# KiCad board LV_PCB.kicad_pcb
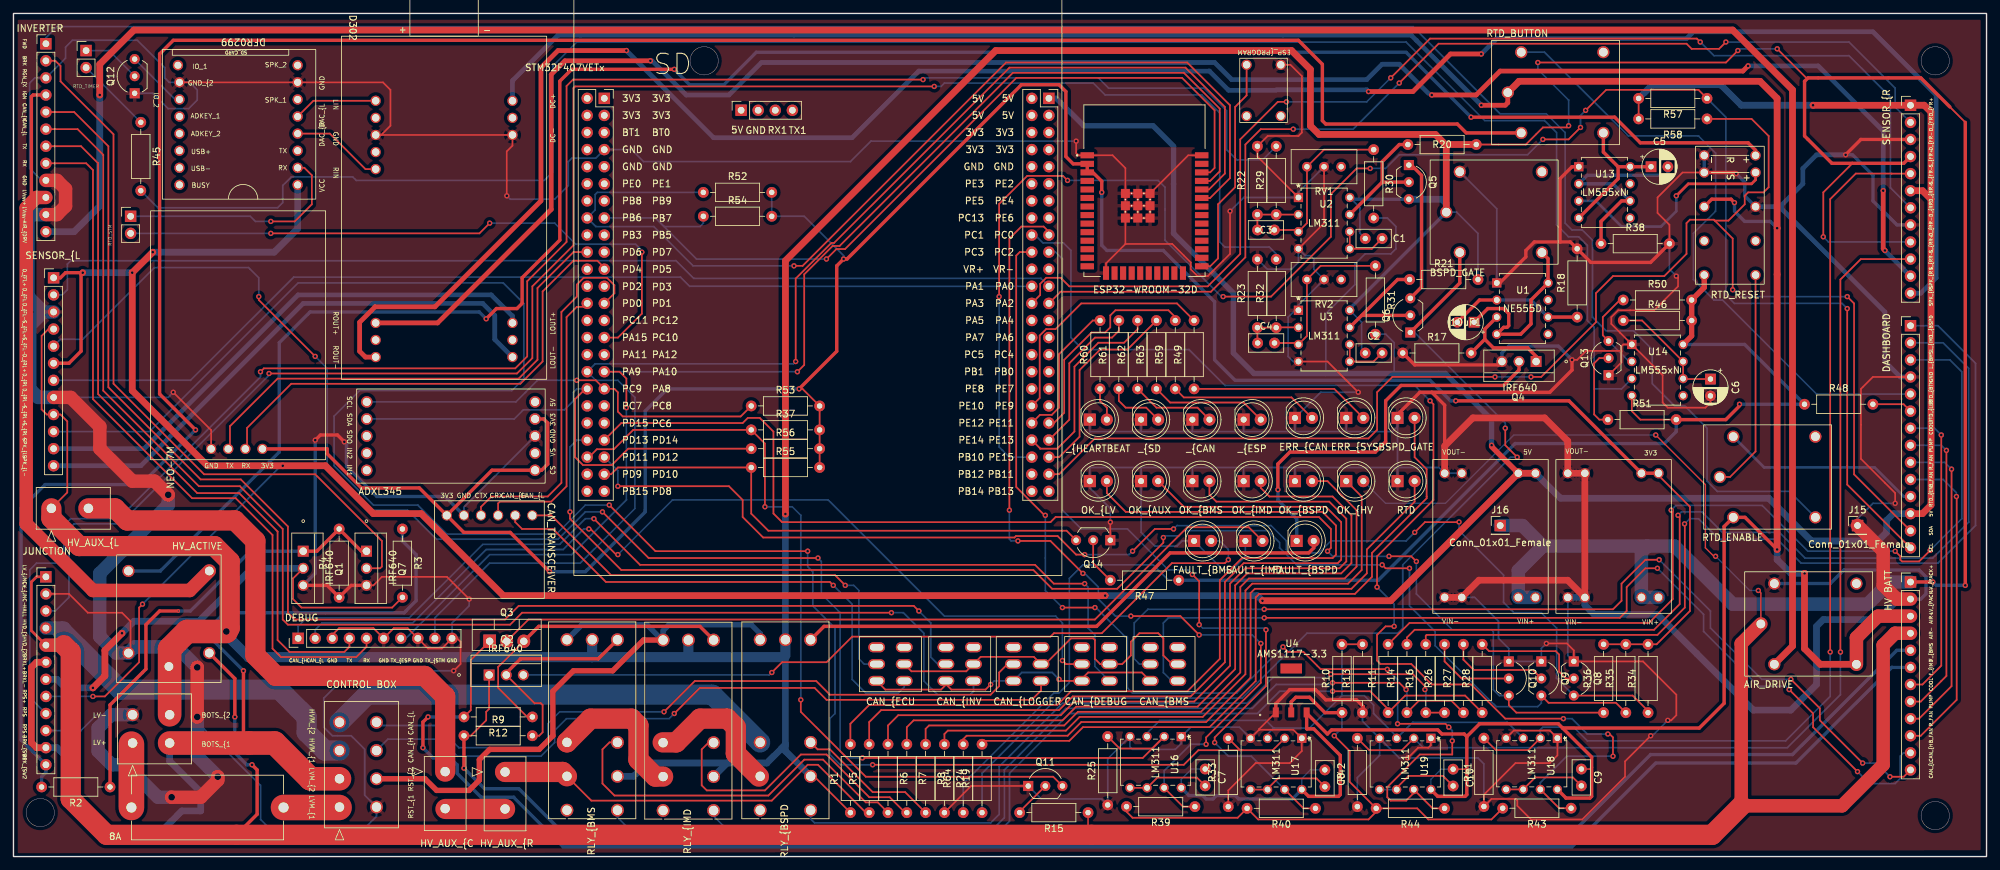
[diagram p0: board, top side]
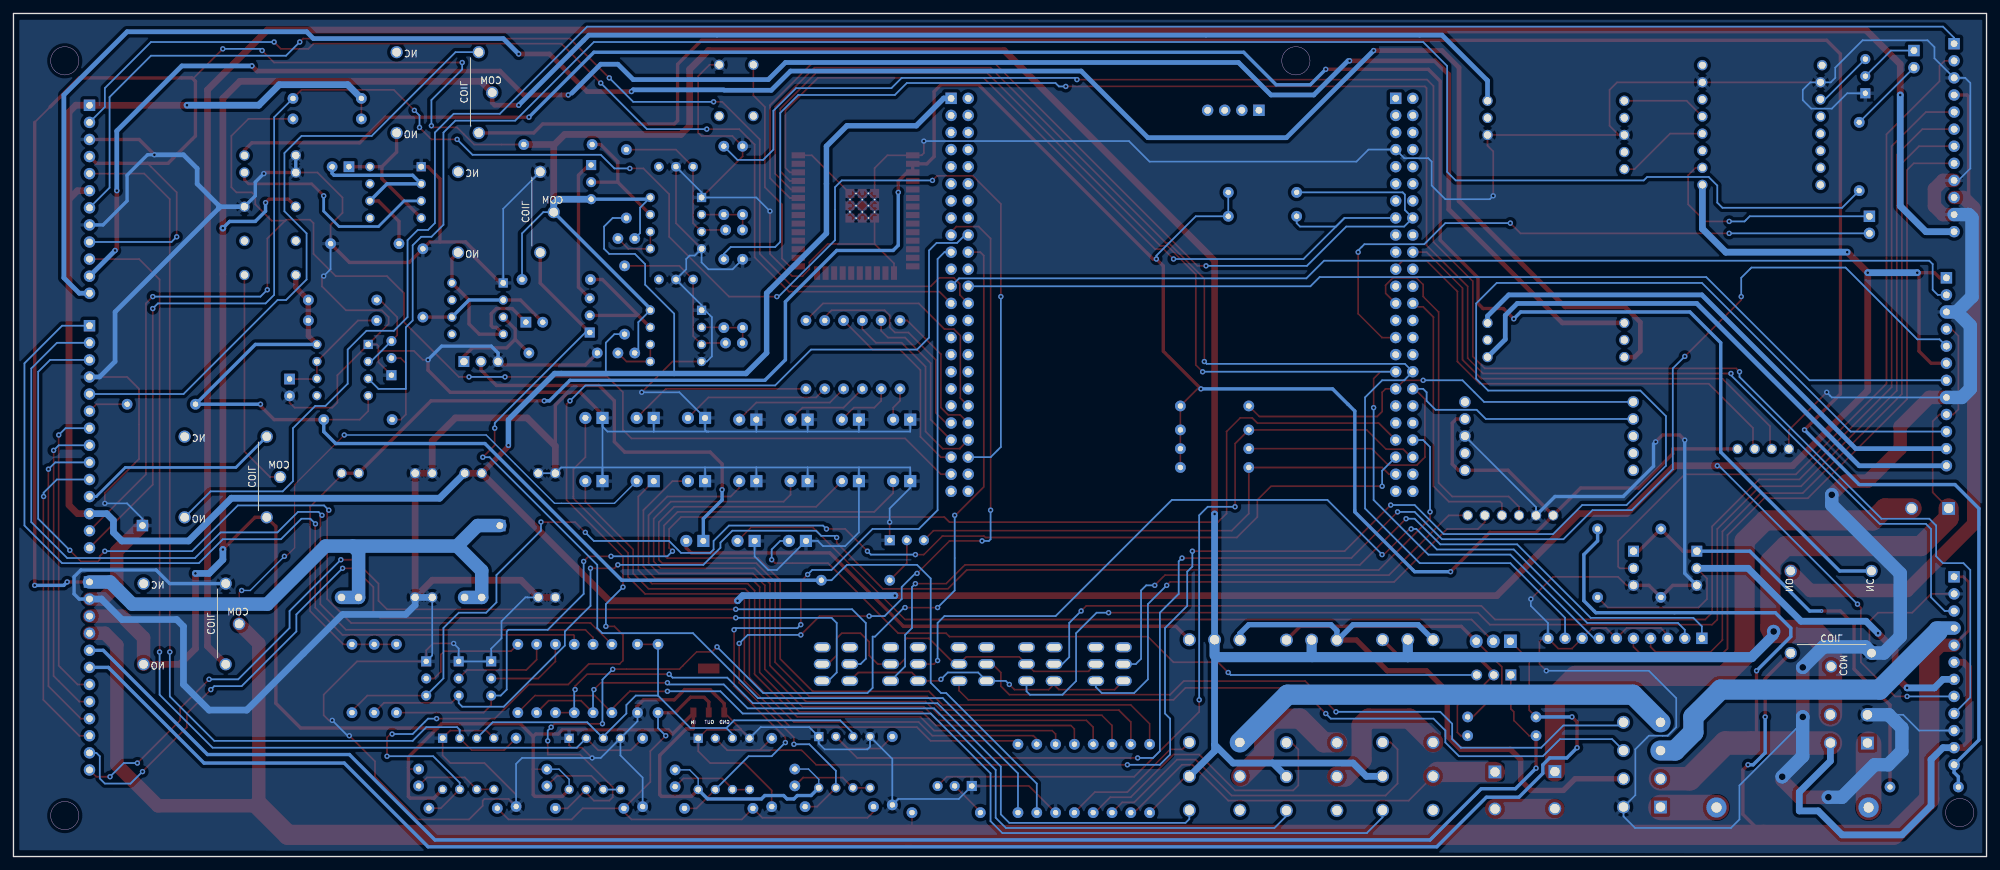
[diagram p1: board, bottom side, seen from below]

Outline 293.1 x 125.33 mm; copper layers: Top, Bottom. Coordinates in mm from the lower left corner of the outline.
Outline path: rectangle 0,125.33 293.1,0 ; circle c3.98,6.53 r2.1 ; circle c102.6,118.29 r2.1 ; circle c285.48,118.29 r2.1 ; circle c285.48,6.09 r2.1

## Placement (name value [footprint] x y rotation side)
10uF1  10uF  [CP_Radial_D5.0mm_P2.50mm]  216.98 79.43 180 top
C1  1nF  [C_Disc_D5.0mm_W2.5mm_P2.50mm]  200.81 91.88 0 top
C2  1nF  [C_Disc_D5.0mm_W2.5mm_P2.50mm]  200.81 74.86 0 top
C3  1nF  [C_Disc_D5.0mm_W2.5mm_P2.50mm]  184.81 93.15 0 top
C4  1nF  [C_Disc_D5.0mm_W2.5mm_P2.50mm]  184.83 76.34 0 top
C5  100uF  [CP_Radial_D5.0mm_P2.50mm]  243.26 102.54 0 top
C6  100uF  [CP_Radial_D5.0mm_P2.50mm]  252.09 70.98 270 top
C7  100nF  [C_Disc_D5.0mm_W2.5mm_P2.50mm]  177.03 13.01 270 top
C8  100nF  [C_Disc_D5.0mm_W2.5mm_P2.50mm]  194.81 12.88 270 top
C9  100nF  [C_Disc_D5.0mm_W2.5mm_P2.50mm]  232.91 13.01 270 top
C10  100nF  [C_Disc_D5.0mm_W2.5mm_P2.50mm]  213.86 12.99 270 top
D1  OK_{LV  [LED_D5.0mm]  159.89 55.81 0 top
D2  FAULT_{BMS  [LED_D5.0mm]  175.38 46.92 0 top
D3  OK_{AUX  [LED_D5.0mm]  167.51 55.81 0 top
D4  OK_{BMS  [LED_D5.0mm]  175.12 55.81 0 top
D5  FAULT_{IMD  [LED_D5.0mm]  183 46.92 0 top
D6  OK_{IMD  [LED_D5.0mm]  182.75 55.81 0 top
D7  FAULT_{BSPD  [LED_D5.0mm]  190.62 46.92 0 top
D8  OK_{BSPD  [LED_D5.0mm]  190.37 55.81 0 top
D9  BSPD_GATE  [LED_D5.0mm]  205.6 65.2 0 top
D10  OK_{HV  [LED_D5.0mm]  197.99 55.81 0 top
D11  ERR_{SYS  [LED_D5.0mm]  197.99 65.2 0 top
D12  ERR_{CAN  [LED_D5.0mm]  190.37 65.2 0 top
D13  _{HEARTBEAT  [LED_D5.0mm]  159.89 64.95 0 top
D14  _{SD  [LED_D5.0mm]  167.51 64.95 0 top
D15  _{CAN  [LED_D5.0mm]  175.12 64.95 0 top
D16  _{ESP  [LED_D5.0mm]  182.75 64.95 0 top
D17  RTD  [LED_D5.0mm]  205.61 55.81 0 top
F1  8A  [Fuseholder_Cylinder-5x20mm_Stelvio-Kontek_PTF78_Horizontal_Open]  40.12 7.29 180 top
J1  5267-12AX  [PinHeader_1x12_P2.54mm_Vertical]  4.82 120.83 0 top
J2  5267-12AX  [PinHeader_1x12_P2.54mm_Vertical]  281.81 40.82 0 top
J3  5267-08AX  [5566-08]  48.43 7.36 90 top
J4  5267-12AX  [PinHeader_1x12_P2.54mm_Vertical]  4.82 41.58 0 top
J5  Conn_01x14_Female  [PinHeader_1x14_P2.54mm_Vertical]  281.81 78.91 0 top
J6  Conn_01x04_Female  [5566-04]  17.7 16.88 90 top
J7  5267-10AX  [PinHeader_1x10_P2.54mm_Vertical]  42.29 32.44 90 top
J8  Conn_01x02_Female  [5566-02A]  64.13 12.63 0 top
J9  Conn_01x02_Female  [PinHeader_1x02_P2.54mm_Vertical]  10.79 119.81 0 top
J10  5267-12AX  [PinHeader_1x12_P2.54mm_Vertical]  281.81 111.68 0 top
J11  Conn_01x02_Female  [5566-02A]  73.03 12.57 0 top
J12  5267-12AX  [PinHeader_1x12_P2.54mm_Vertical]  5.96 86.03 0 top
J13  Conn_01x02_Female  [5566-02A]  5.63 51.76 90 top
J14  Conn_01x02_Female  [PinHeader_1x02_P2.54mm_Vertical]  17.4 95.18 0 top
J15  Conn_01x01_Female  [PinHeader_1x01_P2.54mm_Vertical]  273.94 49.2 0 top
J16  Conn_01x01_Female  [PinHeader_1x01_P2.54mm_Vertical]  220.86 49.2 0 top
K1  HR702NH-DC12V  [HR702]  209.92 87.52 0 top
K2  HR702NH-DC12V  [HR702]  31.36 25.33 90 top
K3  HR702NH-DC12V  [HR702]  256.65 26.3 0 top
K4  HR702NH-DC12V  [HR702]  250.55 48.15 0 top
K5  HR702NH-DC12V  [HR702]  219.05 105.3 0 top
K6  HR90L2_12V  [HR90L2]  249.88 105.59 270 top
Q1  IRF640  [IRF640NPBF]  43.05 45.39 270 top
Q2  IRF640  [IRF640NPBF]  70.66 26.99 0 top
Q3  IRF9540N  [TO-220-3_Vertical]  70.73 32 0 top
Q4  IRF640  [IRF640NPBF]  226.19 73.59 180 top
Q5  2N3904  [TO-92_Inline_Wide]  207.29 102.8 270 top
Q6  2N3904  [TO-92_Inline_Wide]  207.5 77.91 90 top
Q7  IRF640  [IRF640NPBF]  52.44 45.39 270 top
Q8  2N3904  [TO-92_Inline_Wide]  231.79 29.01 270 top
Q9  2N3904  [TO-92_Inline_Wide]  226.96 29.01 270 top
Q10  2N3904  [TO-92_Inline_Wide]  222.14 29.01 270 top
Q11  2N3904  [TO-92_Inline_Wide]  150.74 10.49 0 top
Q12  2N3904  [TO-92_Inline_Wide]  18.01 113.47 90 top
Q13  2N3904  [TO-92_Inline_Wide]  236.95 71.56 90 top
Q14  2N3904  [TO-92_Inline_Wide]  162.93 47.02 180 top
R1  5k  [R_Axial_DIN0207_L6.3mm_D2.5mm_P10.16mm_Horizontal]  124.33 6.53 90 top
R2  100k  [R_Axial_DIN0207_L6.3mm_D2.5mm_P10.16mm_Horizontal]  14.34 10.34 180 top
R3  100k  [R_Axial_DIN0207_L6.3mm_D2.5mm_P10.16mm_Horizontal]  57.78 48.7 270 top
R4  10k  [R_Axial_DIN0207_L6.3mm_D2.5mm_P10.16mm_Horizontal]  48.38 38.53 90 top
R5  5k  [R_Axial_DIN0207_L6.3mm_D2.5mm_P10.16mm_Horizontal]  127.12 6.53 90 top
R6  5k  [R_Axial_DIN0207_L6.3mm_D2.5mm_P10.16mm_Horizontal]  129.91 16.69 270 top
R7  5k  [R_Axial_DIN0207_L6.3mm_D2.5mm_P10.16mm_Horizontal]  132.71 16.69 270 top
R8  5k  [R_Axial_DIN0207_L6.3mm_D2.5mm_P10.16mm_Horizontal]  135.5 16.69 270 top
R9  240K  [R_Axial_DIN0207_L6.3mm_D2.5mm_P10.16mm_Horizontal]  66.92 17.96 0 top
R10  220  [R_Axial_DIN0207_L6.3mm_D2.5mm_P10.16mm_Horizontal]  197.35 21.39 90 top
R11  1k  [R_Axial_DIN0207_L6.3mm_D2.5mm_P10.16mm_Horizontal]  204.21 21.39 90 top
R12  10k  [R_Axial_DIN0207_L6.3mm_D2.5mm_P10.16mm_Horizontal]  77.08 20.75 180 top
R13  120  [R_Axial_DIN0207_L6.3mm_D2.5mm_P10.16mm_Horizontal]  200.4 21.39 90 top
R14  1k  [R_Axial_DIN0207_L6.3mm_D2.5mm_P10.16mm_Horizontal]  207 21.39 90 top
R15  10k  [R_Axial_DIN0207_L6.3mm_D2.5mm_P10.16mm_Horizontal]  159.63 6.53 180 top
R16  1k  [R_Axial_DIN0207_L6.3mm_D2.5mm_P10.16mm_Horizontal]  209.8 21.39 90 top
R17  200k  [R_Axial_DIN0207_L6.3mm_D2.5mm_P10.16mm_Horizontal]  206.38 74.86 0 top
R18  51k  [R_Axial_DIN0207_L6.3mm_D2.5mm_P10.16mm_Horizontal]  232.29 80.19 90 top
R19  1k  [R_Axial_DIN0207_L6.3mm_D2.5mm_P10.16mm_Horizontal]  143.88 6.53 90 top
R20  220  [R_Axial_DIN0207_L6.3mm_D2.5mm_P10.16mm_Horizontal]  217.3 105.84 180 top
R21  220  [R_Axial_DIN0207_L6.3mm_D2.5mm_P10.16mm_Horizontal]  207.39 85.78 0 top
R22  4M  [R_Axial_DIN0207_L6.3mm_D2.5mm_P10.16mm_Horizontal]  184.79 95.43 90 top
R23  4M  [R_Axial_DIN0207_L6.3mm_D2.5mm_P10.16mm_Horizontal]  184.79 78.63 90 top
R24  5k  [R_Axial_DIN0207_L6.3mm_D2.5mm_P10.16mm_Horizontal]  138.3 16.69 270 top
R25  100  [R_Axial_DIN0207_L6.3mm_D2.5mm_P10.16mm_Horizontal]  162.55 7.67 90 top
R26  10k  [R_Axial_DIN0207_L6.3mm_D2.5mm_P10.16mm_Horizontal]  212.59 21.39 90 top
R27  10k  [R_Axial_DIN0207_L6.3mm_D2.5mm_P10.16mm_Horizontal]  215.38 21.39 90 top
R28  10k  [R_Axial_DIN0207_L6.3mm_D2.5mm_P10.16mm_Horizontal]  218.18 21.39 90 top
R29  10k  [R_Axial_DIN0207_L6.3mm_D2.5mm_P10.16mm_Horizontal]  187.58 95.43 90 top
R30  10k  [R_Axial_DIN0207_L6.3mm_D2.5mm_P10.16mm_Horizontal]  202.06 105.08 270 top
R31  10k  [R_Axial_DIN0207_L6.3mm_D2.5mm_P10.16mm_Horizontal]  202.31 87.81 270 top
R32  10k  [R_Axial_DIN0207_L6.3mm_D2.5mm_P10.16mm_Horizontal]  187.58 78.63 90 top
R33  100  [R_Axial_DIN0207_L6.3mm_D2.5mm_P10.16mm_Horizontal]  180.46 7.42 90 top
R34  1k  [R_Axial_DIN0207_L6.3mm_D2.5mm_P10.16mm_Horizontal]  242.82 21.39 90 top
R35  1k  [R_Axial_DIN0207_L6.3mm_D2.5mm_P10.16mm_Horizontal]  239.51 21.39 90 top
R36  1k  [R_Axial_DIN0207_L6.3mm_D2.5mm_P10.16mm_Horizontal]  236.21 21.39 90 top
R37  1k  [R_Axial_DIN0207_L6.3mm_D2.5mm_P10.16mm_Horizontal]  109.59 63.43 0 top
R38  10k  [R_Axial_DIN0207_L6.3mm_D2.5mm_P10.16mm_Horizontal]  235.83 91.11 0 top
R39  3.3k  [R_Axial_DIN0207_L6.3mm_D2.5mm_P10.16mm_Horizontal]  175.51 7.42 180 top
R40  3.3k  [R_Axial_DIN0207_L6.3mm_D2.5mm_P10.16mm_Horizontal]  193.41 7.17 180 top
R41  100  [R_Axial_DIN0207_L6.3mm_D2.5mm_P10.16mm_Horizontal]  218.43 7.44 90 top
R42  100  [R_Axial_DIN0207_L6.3mm_D2.5mm_P10.16mm_Horizontal]  199.64 7.42 90 top
R43  3.3k  [R_Axial_DIN0207_L6.3mm_D2.5mm_P10.16mm_Horizontal]  231.39 7.19 180 top
R44  3.3k  [R_Axial_DIN0207_L6.3mm_D2.5mm_P10.16mm_Horizontal]  212.59 7.17 180 top
R45  10k  [R_Axial_DIN0207_L6.3mm_D2.5mm_P10.16mm_Horizontal]  18.91 109.15 270 top
R46  3.3k  [R_Axial_DIN0207_L6.3mm_D2.5mm_P10.16mm_Horizontal]  239.13 79.68 0 top
R47  10k  [R_Axial_DIN0207_L6.3mm_D2.5mm_P10.16mm_Horizontal]  173.09 41.08 180 top
R48  1k  [R_Axial_DIN0207_L6.3mm_D2.5mm_P10.16mm_Horizontal]  266.06 67.24 0 top
R49  100  [R_Axial_DIN0207_L6.3mm_D2.5mm_P10.16mm_Horizontal]  175.38 69.52 90 top
R50  4.7k  [R_Axial_DIN0207_L6.3mm_D2.5mm_P10.16mm_Horizontal]  239.13 82.73 0 top
R51  10k  [R_Axial_DIN0207_L6.3mm_D2.5mm_P10.16mm_Horizontal]  236.85 64.95 0 top
R52  2.7k  [R_Axial_DIN0207_L6.3mm_D2.5mm_P10.16mm_Horizontal]  102.48 98.73 0 top
R53  2.7k  [R_Axial_DIN0207_L6.3mm_D2.5mm_P10.16mm_Horizontal]  109.59 66.98 0 top
R54  2.7k  [R_Axial_DIN0207_L6.3mm_D2.5mm_P10.16mm_Horizontal]  102.48 95.18 0 top
R55  1k  [R_Axial_DIN0207_L6.3mm_D2.5mm_P10.16mm_Horizontal]  109.59 57.84 0 top
R56  2.7k  [R_Axial_DIN0207_L6.3mm_D2.5mm_P10.16mm_Horizontal]  109.59 60.63 0 top
R57  2.7k  [R_Axial_DIN0207_L6.3mm_D2.5mm_P10.16mm_Horizontal]  251.58 112.7 180 top
R58  2.7k  [R_Axial_DIN0207_L6.3mm_D2.5mm_P10.16mm_Horizontal]  251.58 109.66 180 top
R59  100  [R_Axial_DIN0207_L6.3mm_D2.5mm_P10.16mm_Horizontal]  172.59 69.52 90 top
R60  100  [R_Axial_DIN0207_L6.3mm_D2.5mm_P10.16mm_Horizontal]  161.41 69.52 90 top
R61  100  [R_Axial_DIN0207_L6.3mm_D2.5mm_P10.16mm_Horizontal]  164.2 69.52 90 top
R62  100  [R_Axial_DIN0207_L6.3mm_D2.5mm_P10.16mm_Horizontal]  167 69.52 90 top
R63  100  [R_Axial_DIN0207_L6.3mm_D2.5mm_P10.16mm_Horizontal]  169.79 69.52 90 top
R64  10k  [R_Axial_DIN0207_L6.3mm_D2.5mm_P10.16mm_Horizontal]  141.09 6.53 90 top
RLY1  RLY_{BMS  [RT424F12]  89.72 32.23 270 top
RLY2  RLY_{IMD  [RT424F12]  104.01 32.19 270 top
RLY3  RLY_{BSPD  [RT424F12]  118.42 32.23 270 top
RV1  TUNE_{BRAKE  [Potentiometer_Bourns_3296W_Vertical]  192.14 102.54 180 top
RV2  TUNE_{HALL  [Potentiometer_Bourns_3296W_Vertical]  192.14 85.78 180 top
SW1  CAN_{DEBUG  [TOGGLE_SWITCH]  156.13 20.67 0 top
SW2  CAN_{ECU  [TOGGLE_SWITCH]  125.65 20.67 0 top
SW3  CAN_{BMS  [TOGGLE_SWITCH]  166.29 20.67 0 top
SW4  CAN_{INV  [TOGGLE_SWITCH]  135.94 20.67 0 top
SW5  CAN_{LOGGER  [TOGGLE_SWITCH]  145.97 20.67 0 top
SW8  ESP_{PROGRAM  [TACT_SWITCH]  189.23 122.2 180 top
U1  NE555D  [NE555P]  220.35 85.27 0 top
U2  LM311  [LM311P]  190.88 97.97 0 top
U3  LM311  [LM311P]  190.88 81.21 0 top
U4  AMS1117-3.3  [AMS1117-5.0]  189.81 24.69 0 top
U5  5V Converter  [DCDC_MODULE]  208.3 59.52 270 top
U6  3.3V Converter  [DCDC_MODULE]  226.59 59.52 270 top
U7  CAN_TRANSCEIVER  [CAN_TRANSIVER]  60.26 53.74 270 top
U8  D302  [SPK_D302]  48.73 121.95 270 top
U9  -  [ADXL345]  50.98 55.51 0 top
U10  NEO-7M  [GPSV3-NE0]  48.76 59 90 top
U11  ESP32-WROOM-32D  [MODULE_ESP32-WROOM-32D]  168.01 98.99 0 top
U12  -  [DFR0299]  44.98 121.9 180 top
U13  LM555xN  [NE555P]  232.53 102.54 0 top
U14  LM555xN  [NE555P]  240.4 76.13 0 top
U15  STM32F407VETx  [STM32F407_HOLDER]  118.25 54.29 0 top
U16  LM311  [LM311P]  173.47 17.83 270 top
U17  LM311  [LM311P]  191.38 17.58 270 top
U18  LM311  [LM311P]  229.35 17.6 270 top
U19  LM311  [LM311P]  210.56 17.58 270 top

## Library data of the parts
J3 = -: Field4: 39281083; Field5: *; Field6: Copyright 2021 Accelerated Designs. All rights reserved.; Field7: PTH_DRILL_SIZE:_1.4_MM,_TOL:_+0.05/-0.05; Field8: PTH_DRILL_SIZE:_1.4_MM,_TOL:_+0.05/-0.05; Field9: 39281083; Field10: *
J6 = -: Field4: 39290043; Field6: 39290043
J8 J11 = -: Field4: *; Field5: 39290023; Field6: Copyright 2021 Accelerated Designs. All rights reserved.; Field7: PTH_DRILL_SIZE:_1.4_MM,_TOL:_+0.05/-0.05; Field8: PTH_DRILL_SIZE:_1.4_MM,_TOL:_+0.05/-0.05; Field9: *; Field10: 39290023
J13 = -: Field4: 39290023; Field5: *; Field6: PTH_DRILL_SIZE:_1.4_MM,_TOL:_+0.05/-0.05; Field7: Copyright 2021 Accelerated Designs. All rights reserved.; Field8: PTH_DRILL_SIZE:_1.4_MM,_TOL:_+0.05/-0.05; Field9: *
RLY1-RLY3 U4 = -: Field4: *
U5 = -: Field4: VIN-; Field5: VIN+; Field6: VOUT-; Field7: VOUT+
U6 = -: Field4: VIN+; Field5: VIN-; Field6: VOUT+; Field7: VOUT-
U11 = -: MANUFACTURER: Espressif Systems; MAXIMUM_PACKAGE_HEIGHT: 3.2 mm; PARTREV: 1.9; STANDARD: Manufacturer Recommendations; Field8: ANTENNA
U12 = -: Description: DFRobot Accessories DFPlayer; Arrow Price/Stock: https://www.arrow.com/en/products/dfr0299/dfrobot?region=nac; Height: 1.7; Manufacturer_Name: DFRobot; Mouser Part Number: 426-DFR0299; Mouser Price/Stock: https://www.mouser.co.uk/ProductDetail/DFRobot/DFR0299?qs=Zcin8yvlhnPSNhqM2hweWw%3D%3D

## Footprints (pads in the part's own frame, mm; a bottom-side part is the same pattern mirrored in y, then rotated)
5566-02A
  rect 1.9x1.9 hole 1.4: 1(0,0)
  round 1.9 hole 1.4: 2(0,-5.5)
5566-04
  rect 1.9x1.9 hole 1.4: 1(0,0)
  round 1.9 hole 1.4: 2(4.2,0) 3(0,-5.5) 4(4.2,-5.5)
5566-08
  rect 1.9x1.9 hole 1.4: 1(0,0)
  round 1.9 hole 1.4: 2(4.2,0) 3(8.4,0) 4(12.6,0) 5(0,-5.5) 6(4.2,-5.5) 7(8.4,-5.5) 8(12.6,-5.5)
ADXL345
  round 1.7 hole 1.2: 1(26.5,9.54) 2(26.5,7) 6(26.5,4.46) 7(26.5,1.92) 8(1.5,1.92) 9(1.5,4.46) 12(1.5,7) 13(1.5,9.54) 14(1.5,12.08) 22(26.5,12.08)
AMS1117-5.0
  rect 0.889x1.473 smd: 1(-2.29,-3.264) 2(0,-3.264) 3(2.29,-3.264)
  rect 3.2x1.473 smd: 4(0,3.264)
C_Disc_D5.0mm_W2.5mm_P2.50mm
  round 1.6 hole 0.8: 1(0,0) 2(2.5,0)
CAN_TRANSIVER
  round 1.524 hole 1.2: 1(3.023,4.111) 2(3.023,6.651) 3(3.023,9.191) 4(3.023,11.731) 5(3.023,14.271) 6(3.023,16.811)
CP_Radial_D5.0mm_P2.50mm
  rect 1.6x1.6 hole 0.8: 1(0,0)
  round 1.6 hole 0.8: 2(2.5,0)
DCDC_MODULE
  round 1.524 hole 1.1: 1(21,17.78) 1(21,15.24) 2(21,6.84) 2(21,4.3) 3(2.54,17.78) 3(2.54,15.24) 4(2.54,6.84) 4(2.54,4.3)
DFR0299
  round 1.524 hole 1.05: 1(2.769,22.055) 2(2.769,19.515) 3(2.769,16.975) 4(2.769,14.435) 5(2.769,11.895) 6(2.769,9.355) 7(2.769,6.815) 8(2.769,4.275) 9(20.549,4.275) 10(20.32,6.815) 11(20.32,9.355) 12(20.32,11.895) 13(20.32,14.435) 14(20.32,16.975) 15(20.32,19.515) 16(20.32,22.055)
Fuseholder_Cylinder-5x20mm_Stelvio-Kontek_PTF78_Horizontal_Open
  round 3 hole 1.5: 1(0,0) 2(22.6,0)
GPSV3-NE0
  round 1.524 hole 1.1: 1(1.6,11.78) 2(1.6,14.32) 3(1.6,16.86) 4(1.6,19.4)
HR90L2
  round 1.524 hole 1.1: 1(1.36,8.91) 2(3.9,8.91) 4(8.98,8.91) 6(14.06,8.91) 8(19.14,8.91) 9(19.14,1.29) 11(14.06,1.29) 13(8.98,1.29) 15(3.9,1.29) 16(1.36,1.29)
HR702
  round 1.8 hole 1.3: 1(17.128,14.275) 2(4.928,2.275) 6(4.928,14.275) 7(2.928,8.275) 14(17.128,2.275)
IRF640NPBF
  rect 1.626x1.626 hole 1.118: 1(0,0)
  round 1.626 hole 1.118: 2(2.54,0) 3(5.08,0)
LED_D5.0mm
  rect 1.8x1.8 hole 0.9: 1(0,0)
  round 1.8 hole 0.9: 2(2.54,0)
LM311P
  rect 1.372x1.372 hole 0.864: 1(0,0)
  round 1.372 hole 0.864: 2(0,-2.54) 3(0,-5.08) 4(0,-7.62) 5(7.62,-7.62) 6(7.62,-5.08) 7(7.62,-2.54) 8(7.62,0)
MODULE_ESP32-WROOM-32D
  rect 2x0.9 smd: 1(-8.5,5.26) 2(-8.5,3.99) 3(-8.5,2.72) 4(-8.5,1.45) 5(-8.5,0.18) 6(-8.5,-1.09) 7(-8.5,-2.36) 8(-8.5,-3.63) 9(-8.5,-4.9) 10(-8.5,-6.17) 11(-8.5,-7.44) 12(-8.5,-8.71) 13(-8.5,-9.98) 14(-8.5,-11.25) 25(8.5,-11.25) 26(8.5,-9.98) 27(8.5,-8.71) 28(8.5,-7.44) 29(8.5,-6.17) 30(8.5,-4.9) 31(8.5,-3.63) 32(8.5,-2.36) 33(8.5,-1.09) 34(8.5,0.18) 35(8.5,1.45) 36(8.5,2.72) 37(8.5,3.99) 38(8.5,5.26)
  rect 0.9x2 smd: 15(-5.715,-12.25) 16(-4.445,-12.25) 17(-3.175,-12.25) 18(-1.905,-12.25) 19(-0.635,-12.25) 20(0.635,-12.25) 21(1.905,-12.25) 22(3.175,-12.25) 23(4.445,-12.25) 24(5.715,-12.25)
  rect 1.33x1.33 smd: 39_1(-2.835,-0.405) 39_2(-1,-0.405) 39_3(0.835,-0.405) 39_4(-2.835,-2.24) 39_5(-1,-2.24) 39_6(0.835,-2.24) 39_7(-2.835,-4.075) 39_8(-1,-4.075) 39_9(0.835,-4.075)
  round 0.3 hole 0.2: 39_10(-1.917,-0.405) 39_11(-0.083,-0.405) 39_12(-2.835,-1.323) 39_13(-1,-1.323) 39_14(0.835,-1.323) 39_15(-1.917,-2.24) 39_16(-0.083,-2.24) 39_17(-2.835,-3.158) 39_18(-1,-3.158) 39_19(0.835,-3.158) 39_20(-1.917,-4.075) 39_21(-0.083,-4.075)
NE555P
  rect 1.372x1.372 hole 0.864: 1(0,0)
  round 1.372 hole 0.864: 2(0,-2.54) 3(0,-5.08) 4(0,-7.62) 5(7.62,-7.62) 6(7.62,-5.08) 7(7.62,-2.54) 8(7.62,0)
PinHeader_1x01_P2.54mm_Vertical
  rect 1.7x1.7 hole 1: 1(0,0)
PinHeader_1x02_P2.54mm_Vertical
  rect 1.7x1.7 hole 1: 1(0,0)
  oval 1.7x1.7 hole 1: 2(0,-2.54)
PinHeader_1x10_P2.54mm_Vertical
  rect 1.7x1.7 hole 1: 1(0,0)
  oval 1.7x1.7 hole 1: 2(0,-2.54) 3(0,-5.08) 4(0,-7.62) 5(0,-10.16) 6(0,-12.7) 7(0,-15.24) 8(0,-17.78) 9(0,-20.32) 10(0,-22.86)
PinHeader_1x12_P2.54mm_Vertical
  rect 1.7x1.7 hole 1: 1(0,0)
  oval 1.7x1.7 hole 1: 2(0,-2.54) 3(0,-5.08) 4(0,-7.62) 5(0,-10.16) 6(0,-12.7) 7(0,-15.24) 8(0,-17.78) 9(0,-20.32) 10(0,-22.86) 11(0,-25.4) 12(0,-27.94)
PinHeader_1x14_P2.54mm_Vertical
  rect 1.7x1.7 hole 1: 1(0,0)
  oval 1.7x1.7 hole 1: 2(0,-2.54) 3(0,-5.08) 4(0,-7.62) 5(0,-10.16) 6(0,-12.7) 7(0,-15.24) 8(0,-17.78) 9(0,-20.32) 10(0,-22.86) 11(0,-25.4) 12(0,-27.94) 13(0,-30.48) 14(0,-33.02)
Potentiometer_Bourns_3296W_Vertical
  round 1.44 hole 0.8: 1(0,0) 2(-2.54,0) 3(-5.08,0)
R_Axial_DIN0207_L6.3mm_D2.5mm_P10.16mm_Horizontal
  round 1.6 hole 0.8: 1(0,0)
  oval 1.6x1.6 hole 0.8: 2(10.16,0)
RT424F12
  round 1.905 hole 1.397: 1(0,-7.5) 2(0,0) 3(0,-3.75) 4(20.3,0) 5(15.26,0) 6(25.34,0) 7(20.3,-7.5) 8(15.26,-7.5) 9(25.34,-7.5)
SPK_D302
  round 1.524 hole 1.1: 1(9.6,25.4) 2(14.68,25.4) 3(42.62,25.4) 4(47.7,25.4) 5(47.7,5.08) 6(42.62,5.08) 7(19.76,5.08) 8(14.68,5.08) 9(9.6,5.08) x(12.14,25.4) x(12.14,5.08) x(17.22,5.08) x(45.16,25.4) x(45.16,5.08)
STM32F407_HOLDER
  oval 1.7x1.7 hole 1: 15(35.562,38.1) 16(33.022,38.1) 17(35.562,35.56) 18(33.022,35.56) 20(-30.48,50.8) 23(35.562,30.48) 24(33.022,30.48) 25(35.562,27.94) 26(33.022,27.94) 41(33.022,12.7) 42(35.562,10.16) 43(33.022,10.16) 44(35.562,7.62) 45(33.022,7.62) 46(35.562,5.08) 47(33.022,5.08) 48(35.562,2.54) 57(-30.48,2.54) 58(-33.02,5.08) 59(-30.48,5.08) 60(-33.02,7.62) 61(-30.48,7.62) 63(-30.48,10.16) 64(-33.02,12.7) 66(-33.02,15.24) 67(-30.48,15.24) 68(-33.02,17.78) 69(-30.48,17.78) 78(-30.48,22.86) 81(-33.02,27.94) 82(-30.48,27.94) 86(-30.48,33.02) 87(-33.02,35.56) 92(-33.02,40.64) 93(-30.48,40.64) 94(-30.48,53.34) 111(-7.62,56.648) 112(-5.08,56.648) 113(-2.54,56.648) X(-33.02,58.42) X(-33.02,55.88) X(-33.02,53.34) X(-33.02,50.8) X(-33.02,48.26) X(-33.02,45.72) X(-33.02,43.18) X(-33.02,38.1) X(-33.02,33.02) X(-33.02,30.48) X(-33.02,25.4) X(-33.02,22.86) X(-33.02,20.32) X(-33.02,10.16) X(-33.02,2.54) X(-33.02,0) X(-30.48,55.88) X(-30.48,48.26) X(-30.48,45.72) X(-30.48,43.18) X(-30.48,38.1) X(-30.48,35.56) X(-30.48,30.48) X(-30.48,25.4) X(-30.48,20.32) X(-30.48,12.7) X(-30.48,0) X(33.022,58.42) X(33.022,55.88) X(33.022,53.34) X(33.022,50.8) X(33.022,48.26) X(33.022,45.72) X(33.022,43.18) X(33.022,40.64) X(33.022,33.02) X(33.022,25.4) X(33.022,22.86) X(33.022,20.32) X(33.022,17.78) X(33.022,15.24) X(33.022,2.54) X(33.022,0) X(35.562,55.88) X(35.562,53.34) X(35.562,50.8) X(35.562,48.26) X(35.562,45.72) X(35.562,43.18) X(35.562,40.64) X(35.562,33.02) X(35.562,25.4) X(35.562,22.86) X(35.562,20.32) X(35.562,17.78) X(35.562,15.24) X(35.562,12.7) X(35.562,0)
  rect 1.7x1.7 hole 1: 100(35.562,58.42) 110(-10.16,56.648) X(-30.48,58.42)
TACT_SWITCH
  round 1.524 hole 1.1: (0.965,12.116) (6.045,12.116) 1(6.045,4.496) 2(0.965,4.496)
TO-92_Inline_Wide
  rect 1.5x1.5 hole 0.8: 1(0,0)
  round 1.5 hole 0.8: 2(2.54,0) 3(5.08,0)
TO-220-3_Vertical
  rect 1.905x2 hole 1.1: 1(0,0)
  oval 1.905x2 hole 1.1: 2(2.54,0) 3(5.08,0)
TOGGLE_SWITCH
  oval 2.5x1.5 hole 2x1: 1(2.575,5.435) 2(2.575,10.435) 3(2.575,7.935) 4(6.675,7.935) 5(6.675,10.435) 6(6.675,5.435)
